# Altium PCB BaseBoard.PcbDoc (part 2 of 3)
Units mm, origin at the board's own origin, x right, y up, seen from the top; angles counter-clockwise.
Board outline 100 x 99.95 mm, 2 copper layers (Top Layer, Bottom Layer), stack 1.57 mm thick; 129 components, 191 nets, 936 pads, 326 vias.
Unrouted connection lines stored in the file: 13.
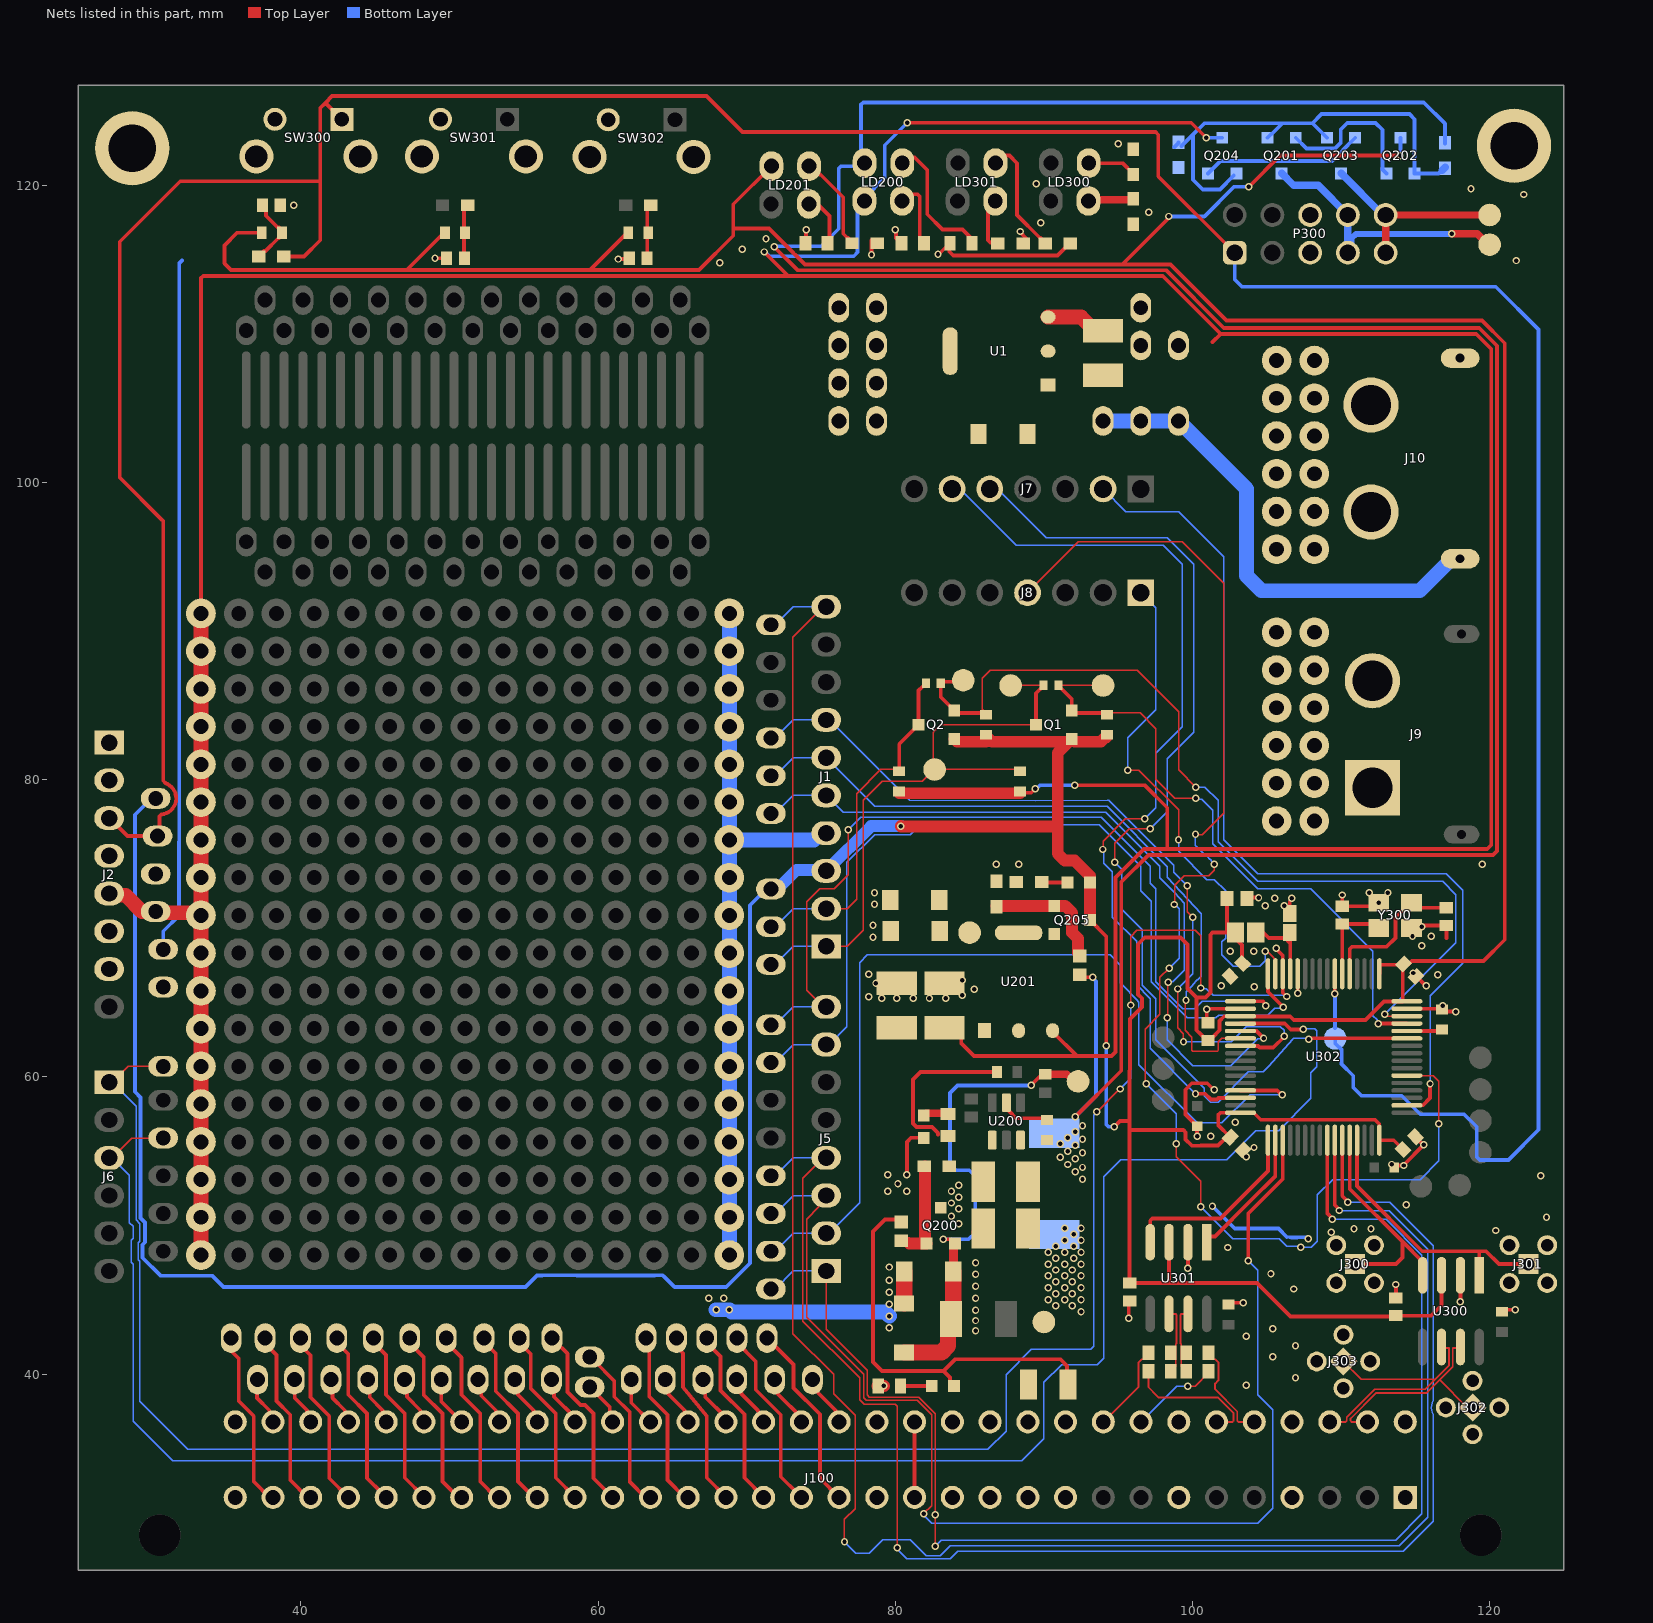
[diagram p2: the nets of this part, all layers, seen from the top]

## Via types
v1: diameter 0.5, hole 0.3, Top Layer to Bottom Layer, tented both sides, 326 vias

## Nets (pads, with @x,y where several pads share a name; then routed paths per layer and width w, separated by ;. In a path a pad name is that pad's centre, name@x,y a point inside that pad or via, vN(x,y) a via of type N, cw(c..) or ccw(c..) an arc to the next point about the centre after c; other vN are vias at no path point)
3,3V: C300.2 C301.1 C302.1 C303.1 C304.1 C305.1 C307.1 C308.1 D202.2 J1.3 J2.2 J2.4 L300.1 LD201.1 pad.608 pad.619 pad.621 Q1.1 Q2.1 Q202.3 Q205.3 R3.2 R4.2 R302.2 R303.2 R304.2 U300.3 U301.3 U302.1 U302.19 U302.32 U302.48 U302.64 | length 455.7
  Top Layer w0.254: R302.2@37.247,116.805 35.705,116.805 34.855,115.955 34.855,114.745 35.3,114.3 47.12,114.3 ; R303.2@49.575,116.805 49.575,116.755 47.12,114.3 ; R304.2@61.905,116.805 61.905,116.755 59.45,114.3 ; LD201.1@71.664,121.286 69.1,118.722 69.1,117.1 ; Q205.3@93.1,70.55 94.2,69.45 94.2,62.106 v1(94.194,62.1) ; v1(94.742,56.642) 95.123,57.023 95.758,57.023 ; v1(98.4,117.9) 98.4,117.8 95.269,114.669 ; U301.3@98.425,48.87 98.425,46.126 ; 99.768,46.126 98.425,46.126 ; 99.793,46.126 104.343,46.126 106.604,43.866 C307.1@113.69,43.866 ; C300.2@102.331,72.029 102.331,69.784 L300.1@102.406,69.709 ; U302.19@103.227,64.084 103.219,64.076 102.144,64.076 101.818,63.75 101.818,63.132 101.377,62.691 101.289,62.691 C304.1@101.041,62.443 100.966,62.443 100.468,62.941 100.456,62.941 100.264,63.132 100.264,64.236 100.264,65.346 ; C302.1@103.379,67.618 103.326,67.671 103.326,68.863 102.481,69.709 L300.1@102.406,69.709 ; v1(103.8,119.9) 105.9,122 v1(114,122) ; U302.19@104.14,64.084 104.163,64.061 105.855,64.061 105.861,64.056 106.582,64.056 106.819,63.819 107.703,63.819 111.647,63.819 112.89,65.061 114.145,65.061 114.145,65.063 U302.64@114.166,65.084 ; U302.1@112.577,66.934 112.577,67.519 112.599,67.541 114.154,67.541 C303.1@114.207,67.594 ; C307.1@113.69,43.926 116.062,43.926 116.76,44.624 U300.3@116.76,46.644 ; C305.1@114.163,55.12 113.548,55.734 U302.48@112.577,55.734 112.569,55.743 112.569,56.818 112.275,57.111 104.6,57.111 104.127,57.584 101.876,57.584 101.727,57.436 101.727,56.754 C301.1@102.546,55.935 102.29,55.935 101.727,55.372 100.577,55.372 100.574,55.368 99.953,55.368 99.535,55.786 99.535,56.265 99.387,56.414 95.758,56.414 ; U302.64@114.427,65.084 U302.64@114.166,65.084 ; 47.12,114.3 59.45,114.3 ; 59.45,114.3 66.8,114.3 69.1,116.6 69.1,117.1 ; 69.1,117.1 71.5,117.1 73.123,115.477 73.123,115.465 73.315,115.273 73.327,115.273 73.931,114.669 95.269,114.669 ; 95.269,114.669 98.527,114.669 102.288,110.908 119.476,110.908 121.02,109.364 121.02,69.22 119.593,67.793 114.756,67.793 114.557,67.594 C303.1@114.207,67.594 ; 95.758,56.414 95.758,46.126 98.425,46.126 ; 95.758,56.414 95.758,57.023 ; 95.758,57.023 95.797,63.9 96.598,64.701 96.598,65.284 96.337,65.546 96.337,68.926 96.783,69.372 99.19,69.372 99.658,68.904 99.658,65.953 100.264,65.346 ; 100.264,65.346 100.875,65.346 101.205,65.676 101.205,69.56 101.354,69.709 L300.1@102.406,69.709 ; U302.64@114.166,65.084 114.145,65.106 114.145,67.181 114.207,67.243 C303.1@114.207,67.594
  Top Layer w0.8: J2.4@27.092,74.873 J2.4@27.245,74.72 ; J2.2@27.092,79.953 J2.2@27.245,79.8 ; v1(80.373,76.877) 80.396,76.854 90.932,76.854 ; Q2.1@83.969,82.743 84.162,82.55 86.106,82.55 ; R4.2@86.106,82.893 86.156,82.893 86.499,82.55 Q1.1@91.685,82.55 ; Q1.1@91.878,82.743 90.932,81.797 90.932,76.854 ; Q1.1@92.071,82.55 93.841,82.55 94.134,82.843 94.184,82.843 R3.2@94.234,82.893 ; D202.2@93.098,73.077 93.098,73.526 92.075,74.549 91.401,74.549 90.932,75.018 90.932,76.854 ; Q205.3@93.1,70.55 D202.2@93.1,73.05
  Bottom Layer w0.254: pad.621@29.926,73.706 29.926,73.66 pad.621@30.226,73.66 ; pad.619@30.226,78.74 29.926,78.74 28.829,77.643 28.829,74.803 28.829,58.992 29.21,58.611 29.21,50.495 29.515,50.19 29.515,48.87 29.343,48.698 29.343,47.822 30.545,46.62 34.025,46.62 34.798,45.847 55.118,45.847 55.827,46.556 55.896,46.625 56.134,46.625 ccw(c56.134,48.006) 56.348,46.642 58.46,46.642 ccw(c58.674,48.006) 58.674,46.625 63.754,46.625 ccw(c63.754,48.006) 63.818,46.626 64.146,46.642 64.356,46.642 64.431,46.567 65.151,45.847 68.628,45.847 70.231,47.45 70.231,71.547 71.328,72.644 pad.608@71.628,72.644 ; v1(94.194,62.1) 94.2,61.552 94.2,56.791 94.349,56.642 v1(94.742,56.642) ; v1(98.4,117.9) 100.8,117.9 102.8,119.9 v1(103.8,119.9) ; v1(114,122) Q202.3@114,123.2
  Bottom Layer w0.8: pad.608@71.628,72.644 72.075,72.644 73.345,73.914 75.295,73.914 J1.3@75.352,73.857 78.371,76.877 v1(80.373,76.877)
3,3V_STLINK: P300.7 P300.8 Q201.3 TP303.1 | length 19
  Top Layer w0.5: v1(117.437,116.733) 117.444,116.727 119.153,116.727 119.88,116 TP303.1@120,116
  Bottom Layer w0.4: 110.67,116.393 111.011,116.734 v1(117.437,116.733)
  Bottom Layer w0.5: Q201.3@106,120.8 106.8,120 108.46,120 P300.8@110.46,118 P300.7@110.46,115.46 110.67,115.67 110.67,116.393
3,3VDDA: C306.2 L300.2 U302.13 | length 4.2
  Top Layer w0.254: L300.2@104.756,69.709 105.129,69.336 106.24,69.336 106.503,69.072 106.578,69.072 ; U302.13@106.577,66.934 106.577,69.071
5v: C1.2 C205.2 C206.2 D201.2 J2.5 LD200.3 pad.200 pad.215 pad.230 pad.245 pad.260 pad.276 pad.291 pad.306 pad.321 pad.336 pad.351 pad.366 pad.381 pad.396 pad.411 pad.426 pad.441 pad.456 pad.622 pad.631 pad.632 pad.633 Q200.3 Q204.3 R1.2 R2.2 U1.3@90.283,111.129 U201.3 | length 318.6
  Top Layer w0.254: pad.456@33.274,91.186 33.274,113.751 33.423,113.9 72.793,113.9 ; v1(71.182,115.511) 72.793,113.9 ; v1(80.781,53.41) 80.781,55.61 81.066,55.896 D201.2@81.915,55.896 ; v1(80.808,124.208) 99.916,124.208 v1(100.924,123.2) ; Q200.3@82.785,51.464 Q200.3@83.058,51.191 ; C205.2@83.759,63.3 84.432,62.627 84.432,62.268 85.3,61.4 92.229,61.4 ; R2.2@88.392,79.083 88.43,79.121 89.146,79.121 89.4,79.375 v1(89.408,79.375) ; U201.3@90.59,63.105 90.59,63.039 92.229,61.4 ; v1(92.075,79.629) 96.774,79.629 98.298,78.105 98.298,75.352 ; 96.709,75.309 94.815,73.415 94.815,63.469 94.825,63.459 94.825,61.674 94.551,61.4 92.229,61.4 ; 96.727,75.327 119.84,75.327 120.1,75.587 120.1,109 119.1,110 101.9,110 ; 101.346,109.446 101.9,110 ; 72.793,113.9 98,113.9 101.9,110
  Top Layer w0.8: R1.2@80.264,79.083 R2.2@88.392,79.083
  Top Layer w1: J2.5@27.092,72.333 27.207,72.218 28.211,72.218 29.31,71.12 pad.622@30.226,71.12 29.795,71.043 33.097,71.043 pad.336@33.274,70.866 ; pad.200@33.274,48.006 pad.215@33.274,50.546 pad.230@33.274,53.086 pad.245@33.274,55.626 pad.260@33.274,58.166 pad.276@33.274,60.706 pad.291@33.274,63.246 pad.306@33.274,65.786 pad.321@33.274,68.326 pad.336@33.274,70.866 ; pad.456@33.274,91.186 pad.441@33.274,88.646 pad.426@33.274,86.106 pad.411@33.274,83.566 pad.396@33.274,81.026 pad.381@33.274,78.486 pad.366@33.274,75.946 pad.351@33.274,73.406 pad.336@33.274,70.866 ; U1.3@90.283,111.129 92.513,111.129 93.43,110.212 C1.2@93.98,110.212
  Bottom Layer w0.254: v1(71.182,115.511) 71.249,115.511 71.537,115.223 77.2,115.223 77.464,115.487 LD200.3@77.464,118.746 ; LD200.3@77.92,118.949 77.92,119.149 79.291,120.52 79.291,122.691 v1(80.808,124.208) ; v1(89.408,79.375) 89.455,79.422 89.555,79.422 89.762,79.629 v1(92.075,79.629) ; v1(100.924,123.2) Q204.3@102,123.2
  other v1: 84.281,50.11 83.781,50.61 84.281,51.11 83.781,51.51 84.281,51.91 79.481,52.31 80.781,52.31 83.781,52.31 84.281,52.71 80.181,52.81 79.481,53.41
5v_FILT: C203.1 C204.1 L200.2 Q200.2 R201.2 TP201.1 | length 32.4
  Top Layer w0.254: v1(83.227,49.064) 83.735,49.064 83.908,48.891 Q200.2@83.908,48.691 ; v1(89.149,59.426) 89.149,59.446 R201.2@89.914,60.21
  Top Layer w0.5: R201.2@90.064,60.198 R201.2@90.095,60.166 91.556,60.166 92.023,59.7 TP201.1@92.3,59.7
  Top Layer w0.6: C204.1@83.908,46.9 Q200.2@83.908,48.691
  Top Layer w1.1: C203.1@80.6,41.45 83.106,41.45 83.55,41.894 83.55,43.5 L200.2@83.75,43.7 ; L200.2@83.908,44.458 C204.1@83.908,46.9
  Bottom Layer w0.254: v1(83.227,49.064) 84.935,49.064 85.381,49.51 85.381,53.31 84.981,53.71 84.081,53.71 83.681,54.11 83.681,58.91 84.181,59.41 89.133,59.41 v1(89.149,59.426)
5V_STLINK: P300.9 P300.10 Q203.3 TP304.1 | length 13.7
  Top Layer w0.5: P300.9@113,115.46 P300.10@113,118 TP304.1@120,118
  Bottom Layer w0.5: Q203.3@110,120.8 112.8,118 P300.10@113,118 P300.10@112.988,118.012
5v_VIN: C201.2 C202.2 D203.1 TP200.1 U200.3
  other v1: 92.5,44.2 90.8,44.6 91.9,44.6 90.3,45 91.4,45 92.5,45 90.8,45.4 91.9,45.4 90.3,45.8 91.4,45.8 92.5,45.8 90.8,46.2 91.9,46.2 90.3,46.6 91.4,46.6 92.5,46.6 90.8,47 91.9,47 90.3,47.4 91.4,47.4 92.5,47.4 90.8,47.8 92,47.8 90.3,48.2 91.4,48.2 92.5,48.2 90.8,48.6 92,48.6 91.4,49 92.5,49 92,49.4 91.4,49.8 92.5,49.8
12V_FUSED: D200.2 D203.2 F200.2 LD200.1 R200.2 R203.2 R204.1 R216.2 | length 222.8
  Top Layer w0.254: v1(71.854,115.854) 73.42,114.288 98.212,114.288 102.1,110.4 119.3,110.4 120.5,109.2 120.5,75.2 120.23,74.93 100.99,74.93 100.983,74.937 100.46,74.937 100.454,74.93 97.03,74.93 95.206,73.106 95.206,60.406 v1(92.1,57.3) ; R203.2@80.4,50.4 79.3,50.4 78.5,49.6 78.5,40.8 79.1,40.2 83.251,40.2 ; D200.2@83.95,39.2 83.685,39.465 83.685,39.766 83.251,40.2 ; F200.2@91.633,39.3 91.552,39.382 91.552,40.548 91.1,41 84.051,41 83.251,40.2 ; R216.2@92.4,66.7 v1(93.3,66.7)
  Bottom Layer w0.254: v1(71.854,115.854) 71.901,115.901 75.025,115.901 76.2,117.076 76.2,121.137 76.349,121.286 77.481,121.286 77.7,121.505 77.7,125.429 77.849,125.578 115.57,125.578 117,124.148 R204.1@117,122.8 ; v1(92.1,57.3) 93.5,58.7 93.5,66.433 93.3,66.633 v1(93.3,66.7)
  other v1: 92.6,53.1 92.1,53.6 92.6,53.9 91.6,54.1 92.1,54.5 91.1,54.6 92.6,54.9 91.6,55 92.1,55.4 91.1,55.5 92.6,55.8 91.6,55.9 92.1,56.3 92.6,56.7
12V_UNPROTECTED: F200.1 J100.A11 J100.A12 J100.C11 J100.C12
24V_UNPROTECTED: J100.A14 J100.C14 | length 5.1
  Top Layer w0.254: J100.A14@81.3,31.7 J100.C14@81.3,36.78
AREF: J2.1
CAN1_N: J100.C3 J303.1 U300.6 | length 18.1
  Top Layer w0.123: J100.C3@109.24,36.78 110.313,36.78 110.385,36.852 110.385,37.102 112.258,38.976 115.653,38.976 116.327,39.65 ; J303.1@110.16,40.843 111.353,39.65 116.327,39.65 ; U300.6@116.76,41.817 116.832,41.744 117.27,41.744 117.27,40.593 116.327,39.65
CAN1_P: J100.C2 J302.1 U300.7 | length 14.4
  Top Layer w0.123: J100.C2@111.78,36.78 110.707,36.78 110.635,36.852 110.635,36.998 112.362,38.725 115.756,38.725 116.638,39.607 ; U300.7@118.03,41.817 117.958,41.744 117.52,41.744 117.52,40.489 116.638,39.607 ; J302.1@118.847,37.744 118.501,37.744 116.638,39.607
CAN1_RX: J300.1 U300.4 U302.44 | length 15.6
  Top Layer w0.254: U302.44@110.577,55.734 110.577,52.465 114.135,48.908 ; J300.1@110.947,47.396 113.69,47.396 114.135,47.841 114.135,48.908 ; U300.4@115.49,46.644 115.49,47.552 114.135,48.908
CAN1_TX: J301.1 U300.1 U302.45 | length 18
  Top Layer w0.254: U302.45@111.077,55.734 111.077,52.651 115.468,48.26 119.3,48.26 ; U300.1@119.3,46.644 119.3,48.26 ; J301.1@122.199,47.396 120.625,47.396 119.761,48.26 119.3,48.26
CAN2_N: J100.C6 R101.1 | length 9.2
  Top Layer w0.123: R101.1@97.04,40.183 97.04,39.104 97.57,38.574 97.732,38.412 98.624,38.412 101.726,38.412 102.765,37.374 102.765,36.852 102.693,36.78 J100.C6@101.62,36.78
CAN2_P: J100.C5 R100.1 | length 6.8
  Top Layer w0.123: R100.1@101.08,41.427 101.08,41.327 101.418,40.989 101.544,40.989 101.742,40.791 101.742,39.574 101.519,39.352 101.519,38.974 103.015,37.478 103.015,36.852 103.087,36.78 J100.C5@104.16,36.78
CAN2_RX: U301.4 U302.33 | length 12.8
  Top Layer w0.254: U301.4@97.155,48.87 97.155,50.321 97.304,50.47 101.879,50.47 105.077,53.668 U302.33@105.077,55.734
CAN2_TX: U301.1 U302.34 | length 9
  Top Layer w0.254: U301.1@100.965,48.87 100.965,49.076 101.149,49.26 101.508,49.26 103.912,51.664 105.577,53.33 U302.34@105.577,55.734
CAN3_N: J100.C9 R103.1 | length 6
  Top Layer w0.123: J100.C9@94,36.78 94.028,36.78 96.378,39.131 96.378,40.791 96.576,40.989 96.702,40.989 97.04,41.327 R103.1@97.04,41.427
CAN3_P: J100.C8 R102.1 | length 6
  Top Layer w0.123: v1(99.695,39.179) 100.176,39.179 101.08,40.083 R102.1@101.08,40.183
  Bottom Layer w0.123: J100.C8@96.54,36.78 98.939,39.179 v1(99.695,39.179)
CAN_2_N: R101.2 R103.2 U301.6 | length 4.5
  Top Layer w0.123: U301.6@98.425,44.043 98.863,44.043 98.935,43.971 98.935,42.052 98.878,41.996 98.878,40.521 R101.2@98.54,40.183
CAN_2_P: R100.2 R102.2 U301.7 | length 4.5
  Top Layer w0.123: R102.2@99.58,40.183 99.242,40.521 99.242,41.996 99.185,42.052 99.185,43.971 99.257,44.043 U301.7@99.695,44.043
EN_5V: R200.1 U200.5 | length 3.2
  Top Layer w0.254: U200.5@87.645,58.088 87.645,57.699 88.127,57.217 R200.1@90.221,57.217
EXT_OUT+: J10.1 pad.528 pad.529 pad.530 pad.531 pad.532 pad.533
EXT_OUT-: J10.2 pad.522 pad.523 pad.524 pad.525 pad.526 pad.527
EXT_PWR+: J9.1 pad.540 pad.541 pad.542 pad.543 pad.544 pad.545
EXT_PWR-: J9.2 pad.534 pad.535 pad.536 pad.537 pad.538 pad.539
GND: C1.1 C3.2 C201.1 C202.1 C203.2 C204.2 C205.1 C206.1 C207.2 C208.2 C300.1 C301.2 C302.2 C303.2 C304.2 C305.2 C306.1 C307.2 C308.2 C309.2 C310.2 C311.2 C312.2 C313.2 C314.2 C315.2 J1.4 J2.6 J2.7 J10.S1 J10.S2 J100.A1 J100.A4 J100.A7 J100.A10 J100.A13 J100.A15 J100.A32 J100.C1 J100.C4 J100.C7 J100.C10 J100.C13 J100.C15 J100.C32 J300.2 J300.3 J300.4 J300.5 J301.2 J301.3 J301.4 J301.5 J302.2 J302.3 J302.4 J302.5 J303.2 J303.3 J303.4 J303.5 P300.5 P300.6 pad.7 pad.214 pad.229 pad.244 pad.259 pad.275 pad.290 pad.305 pad.320 pad.335 pad.350 pad.365 pad.380 pad.395 pad.410 pad.425 pad.440 pad.455 pad.470 pad.623 pad.624 pad.636 pad.637 pad.640 R202.1 R205.1 R206.1 R207.1 R208.1 R209.1 R210.1 R211.1 R212.1 R217.2 R218.2 R300.1 R301.1 R308.1 R309.2 R310.2 R311.2 R312.2 SW300.2 SW300.3 SW300.4 SW301.2 SW301.3 SW301.4 SW302.2 SW302.3 SW302.4 U1.1@90.283,106.549 U200.1 U201.1 U300.2 U301.2 U302.12 U302.18 U302.63 Y300.2 Y300.4 | length 216
  Top Layer w0.254: v1(49.022,115.087) 49.787,115.087 C310.2@49.8,115.1 ; v1(61.366,115.037) 62.037,115.037 C311.2@62.1,115.1 ; R212.1@73.9,116.1 74,116.2 v1(74,117) ; v1(78.4,115.312) R211.1@78.4,116.3 ; v1(80,117) 80,116.933 80.057,116.876 80.057,116.443 R210.1@80.4,116.1 ; v1(82.873,115.36) 82.93,115.36 R209.1@83.63,116.06 ; 82.881,56.11 82.881,56.21 82.468,56.623 81.425,56.623 81.188,56.86 81.188,59.817 81.699,60.329 R202.1@86.83,60.329 ; R209.1@83.63,116.13 83.63,115.547 83.904,115.273 90.914,115.273 91.694,116.053 R311.2@91.694,116.103 ; v1(88.416,116.889) 88.416,116.823 88.8,116.438 R312.2@88.8,116.1 ; C1.1@93.317,106.549 C1.1@93.98,107.212 C1.1@93.705,106.937 ; v1(95.707,43.739) 95.707,44.841 C308.2@95.783,44.917 ; v1(99.695,47.117) U301.2@99.695,48.87 ; v1(100.312,55.999) 100.312,56.76 100.237,56.76 99.739,57.258 99.727,57.258 99.521,57.463 99.521,59.135 99.949,59.563 100.999,59.563 101.427,59.135 v1(101.464,59.135) ; C304.2@101.041,63.643 100.962,63.722 v1(100.962,64.541) 100.997,64.576 103.219,64.576 U302.18@103.227,64.584 ; R301.1@102.413,44.793 v1(103.416,44.793) ; C301.2@103.395,55.086 103.395,54.847 v1(103.632,54.61) ; C300.1@103.531,72.029 103.562,72.06 v1(104.445,72.06) ; v1(106.68,72.009) 106.68,71.942 106.553,71.815 106.553,70.864 C306.1@106.807,70.61 ; v1(107.077,65.613) U302.12@107.077,66.934 ; C312.2@110.083,71.477 112.289,71.477 v1(112.531,71.719) ; v1(110.084,72.238) 110.084,71.498 C312.2@110.094,71.488 ; C314.2@113.538,53.975 113.595,54.032 v1(114.216,54.032) ; C307.2@113.69,45.126 v1(113.69,46.025) ; v1@114.144,54.105 114.247,54.105 115.557,55.415 v1(115.557,55.423) C305.2@115.012,55.968 ; U302.63@114.427,64.584 116.735,64.584 116.806,64.656 117.073,64.389 v1(117.729,64.389) ; Y300.2@114.731,70.019 114.889,70.178 C313.2@117.079,70.178 117.094,70.162 117.094,69.342 ; C303.2@114.964,66.715 115.093,66.745 v1(115.722,66.116) ; U300.2@118.03,46.644 118.032,46.642 118.032,44.858 v1(118.034,44.856) ; R300.1@120.817,44.31 120.829,44.323 v1(121.717,44.323)
  Top Layer w0.8: R206.1@78.8,39.2 78.802,39.202 v1(79.232,39.202) ; C3.2@88.899,103.251 C3.2@88.899,103.376 ; C1.1@93.43,107.212 C1.1@93.98,107.212
  Top Layer w1: J2.7@27.092,67.253 J2.7@27.207,67.138 ; J2.6@27.092,69.793 J2.6@27.207,69.678
  Top Layer w1.1: C203.2@80.6,44.75 80.6,46.767 80.608,46.775 C204.2@80.608,46.9 ; C202.1@85.681,49.542 C202.1@85.927,49.788
  Bottom Layer w0.254: pad.623@30.734,68.58 30.734,69.799 31.802,70.868 31.802,75.821 31.806,75.824 31.806,114.737 32.004,114.935 ; v1(101.346,51.289) 102.851,49.784 105.791,49.784 106.346,49.229 106.651,49.182 106.776,49.182 107.041,49.191 107.707,49.196 107.793,49.11 v1(107.793,49.099) ; v1(103.416,44.793) v1@103.429,44.78
  Bottom Layer w1: v1(67.945,44.323) v1(68.834,44.323) 68.985,44.172 79.328,44.172 v1(79.6,43.9) ; pad.214@68.834,48.006 pad.229@68.834,50.546 pad.244@68.834,53.086 pad.259@68.834,55.626 pad.275@68.834,58.166 pad.290@68.834,60.706 pad.305@68.834,63.246 pad.320@68.834,65.786 pad.335@68.834,68.326 pad.350@68.834,70.866 pad.365@68.834,73.406 pad.380@68.834,75.946 ; pad.470@68.834,91.186 pad.455@68.834,88.646 pad.440@68.834,86.106 pad.425@68.834,83.566 pad.410@68.834,81.026 pad.395@68.834,78.486 pad.380@68.834,75.946 ; J1.4@75.352,76.397 74.989,76.397 74.538,75.946 pad.380@68.834,75.946 ; pad.637@93.98,104.14 pad.636@96.18,104.14 ; pad.636@96.52,104.14 pad.640@99.06,104.14 99.06,103.948 99.245,103.763 99.437,103.763 103.632,99.568 103.632,93.726 104.648,92.71 115.29,92.71 117.445,94.865 J10.S1@118.014,94.865
  other v1: 103.632,39.243 106.934,39.751 105.41,41.148 106.934,41.91 103.632,42.545 85.4,42.9 105.41,43.053 79.6,43.1 85.4,43.6 85.4,44.3 79.6,44.7 67.437,45.085 68.453,45.085 85.4,45.1 79.6,45.5 106.807,45.72 85.4,45.9 79.6,46.3 85.4,46.7 105.283,46.736 79.6,47.2 85.4,47.5 102.362,48.514 109.347,49.53 120.396,49.657 110.871,49.784 112.014,49.784 123.825,50.546 114.376,51.405 123.444,53.34 113.411,54.102 104.14,55.245 101.219,56.007 102.889,56.93 116.84,64.77 79.1,65.3 80.1,65.3 81.2,65.3 82.3,65.3 83.4,65.3 78.2,65.4 84.5,65.5 85.3,65.9 104.154,66.057 101.93,66.116 78.7,66.3 84.5,66.5 116.499,66.866 78.2,66.9 114.843,66.987 102.535,68.453 104.138,68.442 115.443,68.834 78.5,69.4 114.808,69.469 116.078,69.469 115.443,70.104 78.5,70.2 104.902,71.501 106.172,71.501 78.6,71.6 105.537,72.009 78.6,72.4 111.887,72.39 113.157,72.39 86.8,74.3 88.3,74.3 119.507,74.295 68.2,114.8 121.793,114.935 69.7,115.7 71.3,116.4 89.789,117.475 97.053,118.186 39.522,118.643 122.301,119.38 118.745,119.761 89.5,120.1 95,122.8
GPIO_L_0: J100.A16 pad.549@71.374,42.418 | length 12.8
  Top Layer w0.254: pad.549@71.374,42.418 73.152,40.64 73.152,39.065 74.93,37.287 74.93,32.99 J100.A16@76.22,31.7 J100.A16@76.162,31.7
GPIO_L_1: J100.A17 pad.549@69.342,42.418 | length 12.8
  Top Layer w0.254: pad.549@69.342,42.418 69.342,42.118 70.612,40.848 70.612,38.943 72.296,37.259 72.296,33.084 73.396,31.984 73.68,31.984 J100.A17@73.68,31.7 J100.A17@73.68,31.631
GPIO_L_2: J100.A18 pad.547 | length 12.4
  Top Layer w0.254: pad.547@67.31,42.418 67.31,42.118 68.244,41.184 68.244,38.894 69.85,37.287 69.85,33.02 71.14,31.73 J100.A18@71.14,31.7 J100.A18@71.14,31.631
GPIO_L_3: J100.A19 pad.518 | length 12.1
  Top Layer w0.254: pad.518@65.278,42.418 65.278,41.823 65.705,41.396 65.705,39.115 67.31,37.182 67.31,37.09 67.31,33.02 68.6,31.73 J100.A19@68.6,31.7 J100.A19@68.6,31.637
GPIO_L_4: J100.A20 pad.516 | length 12.1
  Top Layer w0.254: pad.516@63.229,42.435 63.435,42.229 63.435,38.5 64.676,37.259 64.676,32.86 65.836,31.7 J100.A20@66.06,31.7 J100.A20@66.06,31.637
GPIO_L_5: J100.A21 pad.514 | length 11.4
  Top Layer w0.254: pad.514@59.436,41.148 59.736,40.894 61.093,39.537 61.093,38.475 62.136,37.432 62.136,32.733 63.169,31.7 J100.A21@63.52,31.7 J100.A21@63.52,31.637
GPIO_L_6: J100.A22 pad.512 | length 12.6
  Top Layer w0.254: pad.512@56.896,42.418 57.15,42.164 57.943,41.371 57.943,38.78 58.81,37.913 59.115,37.913 59.182,37.846 59.69,37.338 59.69,32.99 60.95,31.73 60.98,31.73 J100.A22@60.98,31.7
GPIO_L_7: J100.A23 pad.510 | length 12.8
  Top Layer w0.254: pad.510@54.695,42.418 54.695,42.118 55.471,41.342 55.471,39.017 57.15,37.338 57.15,33.02 58.44,31.73 J100.A23@58.44,31.7 58.216,31.7 J100.A23@58.216,31.413
GPIO_L_8: J100.A24 pad.508 | length 12.4
  Top Layer w0.254: pad.508@52.324,42.418 52.324,42.164 53.111,41.377 53.111,38.837 54.61,37.338 54.61,32.766 55.676,31.7 J100.A24@55.9,31.7 J100.A24@55.9,31.637
GPIO_L_9: J100.A25 pad.506 | length 12.4
  Top Layer w0.254: pad.506@49.784,42.418 49.784,42.118 50.8,41.102 50.8,38.608 52.07,37.338 52.07,32.766 53.136,31.7 J100.A25@53.36,31.7 J100.A25@53.36,31.637
GPIO_L_10: J100.A26 pad.504 | length 12.4
  Top Layer w0.254: pad.504@47.329,42.418 47.329,42.079 48.26,41.148 48.26,38.608 49.53,37.338 49.53,32.766 50.596,31.7 J100.A26@50.82,31.7 J100.A26@50.82,31.637
GPIO_L_11: J100.A27 pad.502 | length 12.3
  Top Layer w0.254: pad.502@44.873,42.418 44.873,41.995 44.997,41.995 45.72,41.271 45.72,38.608 46.99,37.338 46.99,33.02 48.28,31.73 J100.A27@48.28,31.7 J100.A27@48.28,31.637
GPIO_L_12: J100.A28 pad.500 | length 12.3
  Top Layer w0.254: pad.500@42.418,42.418 42.418,42.113 43.18,41.351 43.18,38.608 44.45,37.338 44.45,32.99 45.456,31.984 45.74,31.984 J100.A28@45.74,31.7 J100.A28@45.74,31.631
GPIO_L_13: J100.A29 pad.497@39.963,42.418 | length 12.1
  Top Layer w0.254: pad.497@39.963,42.418 39.963,41.944 40.64,41.267 40.64,38.435 41.91,37.165 41.91,32.99 J100.A29@43.2,31.7 J100.A29@43.2,31.631
GPIO_L_14: J100.A30 pad.497@37.592,42.418 | length 12.2
  Top Layer w0.254: pad.497@37.592,42.418 37.507,42.118 38.354,41.271 38.354,38.181 39.276,37.259 39.276,32.86 40.436,31.7 J100.A30@40.66,31.7
GPIO_L_15: J100.A31 pad.495 | length 12.2
  Top Layer w0.254: pad.495@35.306,42.418 35.052,41.808 35.814,41.046 35.814,38.181 36.83,37.165 36.83,32.766 37.896,31.7 J100.A31@38.12,31.7
GPIO_R_0: J100.C16 pad.601 | length 3.6
  Top Layer w0.254: pad.601@74.422,39.624 74.641,39.405 74.641,38.897 75.972,37.566 75.972,37.028 J100.C16@76.22,36.78
GPIO_R_1: J100.C17 pad.550 | length 3.8
  Top Layer w0.254: pad.550@71.915,39.377 pad.550@71.882,39.624 72.101,39.405 72.101,38.643 73.68,37.064 J100.C17@73.68,36.78
GPIO_R_2: J100.C18 pad.548 | length 3.6
  Top Layer w0.254: pad.548@69.325,39.641 69.325,39.031 69.654,38.702 69.654,38.65 70.769,37.535 70.769,37.502 71.14,37.131 J100.C18@71.14,36.78
GPIO_R_3: J100.C19 pad.517 | length 3.5
  Top Layer w0.254: pad.517@67.056,39.624 67.011,39.397 67.208,39.199 67.208,38.456 68.6,37.064 J100.C19@68.6,36.78
GPIO_R_4: J100.C20 pad.515 | length 3.5
  Top Layer w0.254: pad.515@64.516,39.624 64.516,39.405 64.735,39.185 64.735,38.643 65.812,37.566 65.812,37.028 J100.C20@66.06,36.78
GPIO_R_5: J100.C21 pad.513 | length 3.6
  Top Layer w0.254: pad.513@62.23,39.624 62.23,38.07 J100.C21@63.52,36.78 J100.C21@63.52,37.026
GPIO_R_6: J100.C22 pad.511 | length 3
  Top Layer w0.254: pad.511@59.436,39.116 60.78,37.772 60.78,36.98 J100.C22@60.98,36.78
GPIO_R_7: J100.C23 pad.509 | length 3.5
  Top Layer w0.254: pad.509@56.862,39.624 57.031,39.455 57.031,38.473 58.44,37.064 J100.C23@58.44,36.78
GPIO_R_8: J100.C24 pad.507 | length 3.5
  Top Layer w0.254: pad.507@54.39,39.624 54.609,39.405 54.609,38.609 55.652,37.566 55.652,37.028 J100.C24@55.9,36.78
GPIO_R_9: J100.C25 pad.505 | length 3.4
  Top Layer w0.254: pad.505@51.918,39.624 52.137,39.405 52.137,38.541 53.112,37.566 53.112,37.028 J100.C25@53.36,36.78
GPIO_R_10: J100.C26 pad.503 | length 3.6
  Top Layer w0.254: pad.503@49.445,39.624 49.445,38.155 J100.C26@50.82,36.78 J100.C26@50.643,36.78
GPIO_R_11: J100.C27 pad.501 | length 3.4
  Top Layer w0.254: pad.501@46.973,39.624 47.134,39.463 47.134,38.464 48.032,37.566 48.032,37.028 J100.C27@48.28,36.78
GPIO_R_12: J100.C28 pad.499 | length 3.4
  Top Layer w0.254: pad.499@44.501,39.624 44.628,39.497 44.628,38.43 45.492,37.566 45.492,37.028 J100.C28@45.74,36.78
GPIO_R_13: J100.C29 pad.496 | length 3.3
  Top Layer w0.254: pad.496@42.029,39.624 42.122,39.531 42.122,38.396 42.952,37.566 42.952,37.028 J100.C29@43.2,36.78
GPIO_R_14: J100.C30 pad.494 | length 3.3
  Top Layer w0.254: pad.494@39.556,39.624 39.586,39.594 39.586,38.392 40.412,37.566 40.412,37.028 J100.C30@40.66,36.78
GPIO_R_15: J100.C31 pad.493 | length 3.3
  Top Layer w0.254: pad.493@37.084,39.624 37.046,39.586 37.046,38.392 37.872,37.566 37.872,37.028 J100.C31@38.12,36.78
I2C1_SCL: J1.1 J3.1 pad.610 Q1.3 R2.1 TP2.1 TP3.1 | length 41.4
  Top Layer w0.1: J1.1@75.352,68.777 76.778,68.777 77.851,69.85 77.851,78.613 79.121,79.883 81.827,79.883 82.519,80.575 82.629,80.685 TP2.1@82.645,80.685 ; TP2.1@82.55,80.544 82.55,83.185 83.058,83.693 Q1.3@89.478,83.693 ; TP2.1@82.647,80.683 R2.1@88.392,80.683 ; TP3.1@88.475,86.336 89.948,86.336 J3.1@89.974,86.31
  Top Layer w0.254: Q1.3@89.478,83.693 89.478,85.814 J3.1@89.974,86.31
  Bottom Layer w0.1: pad.610@71.628,67.564 71.928,67.564 73.141,68.777 J1.1@75.352,68.777
I2C1_SDA: J1.2 J4.1 pad.609 Q2.3 R1.1 | length 23.8
  Top Layer w0.1: J1.2@75.352,71.317 76.778,71.317 77.4,71.939 77.4,79.051 79.032,80.683 R1.1@80.264,80.683
  Top Layer w0.254: R1.1@80.264,80.683 80.264,82.388 Q2.3@81.569,83.693 81.569,85.998 81.86,86.289 81.91,86.289 82.058,86.437 J4.1@82.058,86.487
  Bottom Layer w0.1: pad.609@71.628,70.104 71.928,70.104 73.141,71.317 J1.2@75.352,71.317
LDO_OUT: C3.1 pad.641 pad.642 pad.643 pad.644 pad.645 pad.646 pad.648 pad.649 U1.2@90.283,108.839 U1.4@83.693,108.839
LV_CL: J3.2 Q1.2 R3.1 TP1.1 U302.61 | length 43
  Top Layer w0.1: J3.2@90.974,86.31 91.026,86.362 94.589,86.362 TP1.1@94.615,86.336 ; R3.1@94.234,84.493 96.482,84.493 97.536,83.439 97.536,80.01 98.806,78.74 v1(100.222,78.74)
  Top Layer w0.254: J3.2@90.974,86.31 91.122,86.162 91.14,86.162 91.878,85.424 Q1.2@91.878,84.643 92.028,84.493 R3.1@94.234,84.493 ; v1(112.498,63.584) U302.61@114.427,63.584
  Bottom Layer w0.1: v1(100.222,78.74) 100.279,78.683 100.622,78.683 101.351,77.954 101.351,75.687 104.394,72.644 107.95,72.644 112.141,68.453 112.141,64.118 112.421,63.838 112.421,63.661 v1(112.498,63.584)
LV_DA: J4.2 Q2.2 R4.1 TP4.1 U302.62 | length 62.8
  Top Layer w0.1: TP4.1@84.301,86.96 TP4.1@84.574,86.688 ; R4.1@86.106,84.493 85.852,84.747 85.852,86.818 86.382,87.348 96.294,87.348 99.06,84.582 99.06,80.664 v1(100.222,79.502) ; v1@112.856,64.215 v1(112.936,64.215) 112.936,64.143 112.995,64.084 U302.62@114.427,64.084
  Top Layer w0.254: TP4.1@84.574,86.688 84.473,86.587 83.158,86.587 J4.2@83.058,86.487 83.058,85.554 Q2.2@83.969,84.643 84.119,84.493 R4.1@86.106,84.493
  Bottom Layer w0.1: v1(100.222,79.502) 100.838,79.502 101.727,78.613 101.727,75.819 104.394,73.152 116.84,73.152 117.73,72.262 117.73,69.01 v1(112.936,64.215)
NetC207_1: C207.1 C208.1 Q205.2 TP202.1 U201.2 U201.4
NetC309_1: C309.1 R302.1 R305.2 | length 4.9
  Top Layer w0.254: R305.2@37.2,115.2 37.2,115.25 37.523,115.573 37.616,115.573 38.474,116.432 38.524,116.432 38.847,116.755 38.847,116.855 38.524,117.178 38.424,117.178 37.658,117.945 37.658,118.411 C309.1@37.41,118.659
NetC310_1: C310.1 R303.1 R306.2 | length 3.9
  Top Layer w0.254: C310.1@50.975,114.822 50.975,116.805 50.975,118.459 R306.2@51.175,118.659
NetC311_1: C311.1 R304.1 R307.2 | length 3.9
  Top Layer w0.254: C311.1@63.305,114.822 63.305,118.459 R307.2@63.505,118.659
NetD200_1: D200.1 R206.2 | length 2
  Top Layer w0.254: R206.2@80.4,39.2 D200.1@82.45,39.2
NetD201_1: D201.1 R207.2 | length 1.7
  Top Layer w0.5: D201.1@81.915,57.396 82.065,57.546 82.542,57.546 R207.2@83.527,57.546
NetD202_1: D202.1 R208.2 | length 1.8
  Top Layer w0.254: R208.2@89.85,73.1 89.873,73.077 D202.1@91.598,73.077
NetJ8_4: J8.4 U302.54 | length 92.3
  Top Layer w0.1: J8.4@89.535,93.218 92.329,96.012 99.314,96.012 102.108,93.218 102.108,77.736 100.653,76.281 100.249,76.281 v1(100.203,76.327) ; v1(96.881,59.547) 96.817,59.612 96.817,63.214 97.807,64.204 97.807,66.692 v1(98.425,67.31) ; v1(98.774,71.599) 98.806,71.631 98.806,72.897 99.441,73.533 101.092,73.533 101.454,73.895 101.454,74.273 v1(101.476,74.295) ; v1(98.909,55.499) 98.909,54.634 100.559,52.984 v1(100.559,51.262) ; U302.54@114.427,60.084 116.216,60.084 116.586,59.715 v1(116.586,56.856)
  Bottom Layer w0.1: v1(96.881,59.547) 98.909,57.519 v1(98.909,55.499) ; v1(98.425,67.31) 99.106,67.991 99.106,71.328 99.047,71.387 v1(98.774,71.599) ; v1(100.203,76.327) 100.203,75.606 100.203,75.565 100.262,75.506 100.897,74.887 ccw(c100.967,74.958) 100.917,74.872 100.959,74.847 cw(c100.908,74.761) 100.979,74.832 101.177,74.634 cw(c101.107,74.563) 101.182,74.628 101.458,74.311 ccw(c101.534,74.376) v1(101.476,74.295) ; v1(100.559,51.262) 102.708,49.114 105.826,49.114 106.349,48.591 107.236,48.591 v1(107.286,48.542) ; v1@107.303,48.56 107.361,48.524 107.753,48.524 108.001,48.524 108.41,48.933 108.41,52.066 109.43,53.086 115.316,53.086 116.586,54.356 v1(116.586,56.856) ; v1(101.476,74.295) 101.473,74.295 v1(101.476,74.295)
NetLD200_2: LD200.2 R209.2 | length 10
  Top Layer w0.254: LD200.2@80.017,121.887 LD200.2@80.127,121.887 ; LD200.2@80.017,121.997 LD200.2@80.127,121.887 ; R209.2@84.982,116.518 85.3,116.2 85.3,116.25 84.523,117.027 83.176,117.027 82.154,118.049 82.154,121.035 81.302,121.887 LD200.2@80.127,121.887
NetLD200_4: LD200.4 R210.2 | length 5.6
  Top Layer w0.254: LD200.4@80,119.39 LD200.4@80.11,119.39 ; LD200.4@80,119.5 LD200.4@80.11,119.39 ; LD200.4@80.95,119.39 LD200.4@80.11,119.39 ; R210.2@81.646,116.346 81.646,119.241 81.497,119.39 LD200.4@80.11,119.39
NetLD201_2: LD201.2 R211.2 | length 6.6
  Top Layer w0.254: LD201.2@74.2,121.286 74.364,121.286 74.938,120.712 74.988,120.712 76.5,119.2 76.5,116.74 76.767,116.473 76.817,116.473 77.14,116.15 R211.2@77.14,116.1
NetLD201_4: LD201.4 R212.2 | length 4.1
  Top Layer w0.254: LD201.4@73.997,119.503 75.565,117.935 R212.2@75.565,116.1
NetLD300_2: LD300.2 R309.1 | length 4.8
  Top Layer w0.254: LD300.2@93.017,121.489 95.301,121.489 96.012,120.778 R309.1@96.012,120.728 ; LD300.2@93.017,121.523 LD300.2@93.655,121.523 ; LD300.2@93.017,121.997 93.181,121.997 LD300.2@93.655,121.523 ; LD300.2@93.664,121.514 LD300.2@93.655,121.523
NetLD300_4: LD300.4 R310.1 | length 3.2
  Top Layer w0.254: LD300.4@93,118.746 LD300.4@93.101,118.847
  Top Layer w0.5: LD300.4@93,118.949 93.069,119.018 95.943,119.018 R310.1@96.012,119.087
NetLD301_2: LD301.2 R311.1 | length 8.4
  Top Layer w0.254: LD301.2@86.517,121.997 LD301.2@87.098,121.997 ; LD301.2@87.401,121.997 LD301.2@87.098,121.997 ; R311.1@90.094,116.103 90.094,116.156 89.777,116.473 89.724,116.473 88.189,118.009 88.189,121.488 87.68,121.997 LD301.2@87.098,121.997
NetLD301_4: LD301.4 R312.1 | length 5.6
  Top Layer w0.254: R312.1@87.2,116.1 87.146,116.154 86.389,116.154 86.241,116.303 86.241,118.368 86.242,118.37 LD301.4@86.242,118.751 ; LD301.4@86.242,118.751 LD301.4@86.242,119.132 ; LD301.4@86.242,118.751 86.5,119.009 LD301.4@86.5,119.39 ; LD301.4@86.242,119.132 86.242,119.242 86.5,119.5 LD301.4@86.5,119.39 ; LD301.4@86.242,119.132 LD301.4@86.5,119.39
NetQ200_1: Q200.1 R203.1 R218.1 | length 6.2
  Top Layer w0.8: 80.899,48.835 80.943,48.791 Q200.1@81.889,48.791 ; R218.1@82.001,53.969 82.001,48.898 Q200.1@82.108,48.791
NetQ201_1: Q201.1 Q202.1 Q203.1 Q204.1 R204.2 R205.2 | length 32.5
  Bottom Layer w0.254: R205.2@98.787,122.574 99.06,122.847 R205.2@99.06,122.897 ; R205.2@99.263,122.644 100.041,123.421 ; Q204.1@102.781,120.65 101.85,119.72 100.697,119.72 100.041,120.375 100.041,123.421 ; Q201.1@105.05,123.2 105.323,123.473 105.353,123.473 106.059,124.179 ; Q203.1@109.05,123.2 108.071,124.179 ; R204.2@117,121.2 116.95,121.2 116.55,120.8 Q202.1@114.95,120.8 114.95,124.445 114.605,124.79 108.682,124.79 108.071,124.179 ; 100.041,123.421 100.799,124.179 106.059,124.179 ; 106.059,124.179 108.071,124.179
  Bottom Layer w0.5: R204.2@116.8,121 R204.2@117,121.2
NetQ201_2: Q201.2 Q202.2 | length 10.6
  Bottom Layer w0.254: Q201.2@106.95,123.2 107.677,122.473 109.585,122.473 109.985,122.873 109.985,123.775 110.41,124.2 112.321,124.2 112.787,123.735 112.787,121.063 Q202.2@113.05,120.8
NetQ203_2: Q203.2 Q204.2 | length 10.9
  Bottom Layer w0.254: Q204.2@101.05,120.8 101.892,121.642 109.392,121.642 109.769,122.019 109.773,122.019 110.439,122.685 110.439,122.689 Q203.2@110.95,123.2
NetQ205_1: Q205.1 R216.1 R217.1 | length 8.3
  Top Layer w0.8: R217.1@86.8,71.5 Q205.1@90.7,71.5 91.431,71.5 91.9,71.031 91.9,69.7 92.3,69.3 92.3,68.35 92.35,68.3 R216.1@92.4,68.3
NetR308_2: R308.2 U302.60 | length 2.4
  Top Layer w0.254: U302.60@114.427,63.084 116.778,63.084 R308.2@116.806,63.056
NRST: J2.3 P300.1 pad.620 R305.1 SW300.1 TP300.1 U302.7 | length 243.9
  Top Layer w0.254: J2.3@27.092,77.413 27.124,77.413 28.337,76.2 pad.620@30.353,76.2 30.48,76.454 30.48,77.527 30.554,77.601 ; 30.555,77.602 30.616,77.663 ccw(c30.526,78.74) 31.016,79.704 30.883,79.771 30.734,79.92 30.734,79.993 30.734,97.409 30.66,97.483 27.813,100.33 27.813,116.205 31.877,120.269 41.3,120.269 ; R305.1@38.8,115.2 40.2,115.2 41.3,116.3 41.3,120.269 ; SW300.1@42.75,124.442 41.646,125.546 ; P300.1@102.84,115.46 97.7,120.6 97.7,123.4 97.523,123.577 96.636,123.577 95.365,123.577 69.723,123.577 67.3,126 42.1,126 41.646,125.546 ; U302.7@109.577,66.934 109.581,66.931 109.581,65.608 v1(109.585,65.604) ; 41.3,120.269 41.3,125.2 41.646,125.546
  Bottom Layer w0.254: P300.1@102.84,115.46 102.84,113.66 103.33,113.17 120.409,113.17 123.288,110.291 123.288,56.434 121.261,54.407 119.329,54.407 119.126,54.61 119.126,56.642 118.281,57.487 115.324,57.487 114.087,58.724 111.383,58.724 110.821,59.286 110.821,60.07 110.021,60.87 110.021,61.833 109.605,62.249 TP300.1@109.605,62.593 ; TP300.1@109.585,63.263 v1(109.585,65.604)
OSC_IN: C313.1 U302.5 Y300.3 | length 10.4
  Top Layer w0.254: U302.5@110.577,66.934 110.577,68.501 ; 110.586,68.501 110.586,68.604 110.735,68.752 113.066,68.752 113.657,69.343 113.657,70.745 114.631,71.719 114.973,71.378 C313.1@117.079,71.378
OSC_OUT: C312.1 U302.6 Y300.1 | length 6
  Top Layer w0.254: U302.6@110.077,67.234 110.077,70.272 C312.1@110.083,70.277 112.273,70.277 Y300.1@112.531,70.019 Y300.1@112.225,69.714
PA0: J6.1 pad.630 U302.14 | length 144.1
  Top Layer w0.1: J6.1@27.092,59.633 27.292,59.633 28.364,60.706 pad.630@30.734,60.706 ; v1(93.569,57.658) 93.586,57.658 95.11,59.182 v1(95.127,59.182) ; v1(95.837,64.832) 95.843,64.838 95.843,69.427 96.266,69.85 100.203,69.85 100.555,69.498 100.555,65.98 v1(100.558,65.977)
  Top Layer w0.254: v1(105.625,68.666) 105.625,68.623 106.069,68.18 106.069,66.943 U302.14@106.077,66.934 106.077,65.652 106.324,65.406 v1(106.349,65.406)
  Bottom Layer w0.1: J6.1@27.092,59.633 27.292,59.633 28.906,58.019 28.906,50.369 29.156,50.119 29.156,48.941 29.039,48.824 29.039,47.696 29.156,47.579 29.156,38.154 32.385,34.925 86.233,34.925 87.459,36.151 87.459,39.961 89.154,41.656 93.151,41.656 93.372,41.877 93.372,57.399 93.569,57.596 v1(93.569,57.658) ; v1(95.127,59.182) 95.843,59.898 95.843,64.465 v1(95.837,64.832) ; v1(100.558,65.977) 100.594,65.942 100.936,65.942 101.402,65.476 106.279,65.476 v1(106.349,65.406)
PA1: J8.1 U302.15 | length 35.1
  Top Layer w0.1: v1(95.631,80.645) 96.393,80.645 99.06,77.978 v1(99.06,75.958) ; v1(104.899,68.464) 104.91,68.453 105.024,68.453 105.285,68.192 105.477,68 105.477,67.989 105.577,67.889 U302.15@105.577,66.934
  Bottom Layer w0.1: v1(95.631,80.645) 95.631,82.804 97.536,84.709 97.536,91.567 J8.1@96.52,92.583 ; v1(99.06,75.958) 99.06,75.184 100.965,73.279 101.473,73.279 102.235,72.517 102.235,69.342 101.981,69.088 101.981,68.199 102.743,67.437 104.521,67.437 104.899,67.815 v1(104.899,68.464)
PA2: J5.7 pad.612 U302.16 | length 60.1
  Top Layer w0.254: U302.16@105.077,66.934 105.086,66.926 105.086,65.723 v1(106.123,64.687)
  Bottom Layer w0.1: pad.612@71.628,60.96 71.928,60.96 73.141,62.173 J5.7@75.352,62.173 75.552,62.173 76.741,63.363 76.741,74.431 78.61,76.3 80.999,76.3 81.661,76.962 93.726,76.962 94.411,76.277 96.52,74.168 96.52,72.517 97.214,71.823 97.214,66.393 99.637,63.971 101.563,63.971 101.753,64.161 105.076,64.161 105.322,64.406 105.398,64.482 105.527,64.612 106.048,64.612 v1(106.123,64.687)
PA3: J5.8 pad.611 U302.17 | length 58.9
  Top Layer w0.1: J5.8@75.352,64.713 75.352,64.856 75.009,64.856 74.048,65.817 74.048,71.775 74.917,72.644 75.9,72.644 76.846,73.59 76.846,75.819 76.837,75.828 v1(76.837,76.62)
  Top Layer w0.254: U302.17@103.227,65.084 104.74,65.084 104.74,65.049 104.927,64.862 v1(104.927,64.795)
  Bottom Layer w0.1: pad.611@71.628,63.5 71.928,63.5 73.141,64.713 J5.8@75.352,64.713 ; v1(76.837,76.62) 77.67,77.454 93.869,77.454 97.155,74.168 97.155,73.025 97.536,72.644 97.536,66.393 99.336,64.593 100.168,64.593 100.67,65.095 104.627,65.095 v1(104.927,64.795)
PA4: J6.3 pad.626 U302.20 | length 132.7
  Top Layer w0.1: J6.3@27.092,54.553 27.292,54.553 28.618,55.88 pad.626@30.734,55.88
  Top Layer w0.254: U302.20@103.235,63.592 106.21,63.592 106.61,63.192 107.438,63.192 v1(107.442,63.188)
  Bottom Layer w0.1: J6.3@27.092,54.553 27.292,54.553 28.452,53.393 28.452,50.181 28.702,49.931 28.702,49.129 28.585,49.012 28.585,47.508 28.702,47.391 28.702,36.83 31.369,34.163 88.519,34.163 89.999,35.643 89.999,39.453 91.186,40.64 93.599,40.64 94.022,41.063 94.022,53.276 95.171,54.425 102.304,54.425 104.267,56.388 105.791,56.388 107.95,58.547 107.95,60.265 108.366,60.681 108.366,63.106 108.226,63.246 107.5,63.246 v1(107.442,63.188)
PA5: J1.5 pad.607 U302.21 | length 51.3
  Top Layer w0.1: v1(98.309,63.967) 98.328,63.986 98.328,66.309 v1(98.373,66.354)
  Top Layer w0.254: U302.21@103.227,63.084 103.236,63.076 104.311,63.076 104.781,62.605 v1(104.781,62.596)
  Bottom Layer w0.1: pad.607@71.628,77.724 71.928,77.724 73.141,78.937 J1.5@75.352,78.937 76.49,77.799 94.159,77.799 94.361,77.597 97.79,74.168 97.79,73.406 98.74,72.456 98.741,72.455 99.183,71.973 99.415,71.72 99.441,71.691 99.441,67.183 98.668,66.41 98.429,66.41 v1(98.373,66.354) ; v1(98.309,63.967) 98.298,63.956 98.298,62.484 100.027,60.755 102.576,60.755 104.328,62.507 104.331,62.507 104.381,62.557 104.743,62.557 v1(104.781,62.596)
PA6: J1.6 pad.606 U302.22 | length 48.1
  Top Layer w0.1: v1(99.565,65.147) 99.501,65.083 99.501,63.122 99.949,62.674 99.949,61.781 100.008,61.722 101.685,61.722 101.744,61.781 101.744,62.374 101.954,62.584 U302.22@103.227,62.584
  Bottom Layer w0.1: pad.606@71.628,80.264 71.928,80.264 73.141,81.477 J1.6@75.352,81.477 78.622,78.207 94.259,78.207 98.284,74.182 98.313,74.153 98.313,73.416 100.584,70.961 100.584,66.754 100.361,66.531 100.329,66.531 100.004,66.207 100.004,66.174 99.565,65.735 v1(99.565,65.147)
PA7: J1.7 pad.605 U302.23 | length 55.7
  Top Layer w0.1: v1(99.011,65.913) 99.011,63.291 99.395,62.907 v1(99.395,62.357) ; v1(99.649,72.854) 99.649,71.12 v1(100.03,70.739)
  Top Layer w0.254: U302.23@103.227,62.084 103.236,62.076 104.409,62.076 104.52,61.965 105.436,61.965 106.172,62.702 v1(106.172,62.738)
  Bottom Layer w0.1: pad.605@71.628,82.804 71.928,82.804 73.141,84.017 J1.7@75.352,84.017 75.552,84.017 80.927,78.642 80.956,78.613 89.405,78.567 ccw(c89.408,79.121) 89.413,78.567 94.278,78.613 94.361,78.613 94.39,78.584 98.747,74.227 98.747,73.756 v1(99.649,72.854) ; v1(99.011,65.913) 100.03,66.932 v1(100.03,70.739) ; v1(99.395,62.357) 102.616,62.357 103.632,63.373 105.918,63.373 106.172,63.119 v1(106.172,62.738)
PA8: J5.1 pad.618 U302.41 | length 92.4
  Top Layer w0.1: J5.1@75.552,46.183 J5.1@75.352,46.933 75.352,43.012 78.1,40.264 78.1,38.596 78.246,38.45 81.565,38.45 81.594,38.421 82.677,37.338 82.677,31.115 v1(82.677,30.526) v1(82.677,28.402)
  Top Layer w0.254: U302.41@109.077,55.734 109.077,50.806 109.398,50.486 v1(109.398,50.419)
  Bottom Layer w0.1: pad.618@71.628,45.72 71.928,45.72 73.141,46.933 J5.1@75.352,46.933 J5.1@75.12,46.701 ; v1(82.677,28.402) 83.104,28.829 113.665,28.829 115.443,30.607 115.443,48.006 113.03,50.419 v1(109.398,50.419)
PA9: J1.10 pad.602 U302.42 | length 141.8
  Top Layer w0.1: J1.10@75.352,91.637 75.152,91.637 73.106,89.592 73.106,42.718 75.847,39.977 75.847,38.679 76.667,37.859 77.299,37.227 77.299,30.944 76.581,30.226 v1(76.581,28.702)
  Top Layer w0.254: U302.42@109.577,55.734 109.577,51.373 109.88,51.07 v1(109.88,51.003)
  Bottom Layer w0.1: pad.602@71.628,90.424 71.928,90.424 73.141,91.637 J1.10@75.352,91.637 J1.10@75.552,91.637 ; v1(76.581,28.702) 77.343,27.94 78.232,27.94 79.148,28.856 80.999,28.856 82.069,27.786 83.031,27.786 83.693,28.448 113.919,28.448 115.824,30.353 115.824,48.412 113.233,51.003 v1(109.88,51.003)
PA10: J5.4 pad.615 U302.43 | length 102.5
  Top Layer w0.1: J5.4@75.352,54.553 75.152,54.553 73.787,53.188 73.787,43.561 77.597,39.751 77.597,38.282 77.9,37.979 80.004,37.979 80.137,37.846 v1(80.137,28.302)
  Top Layer w0.254: U302.43@110.077,55.734 110.077,51.99 110.439,51.629 v1(110.439,51.562)
  Bottom Layer w0.1: pad.615@71.628,53.34 71.928,53.34 73.141,54.553 J5.4@75.352,54.553 ; v1(80.137,28.302) 80.137,28.194 80.772,27.559 83.693,27.559 84.201,28.067 114.173,28.067 116.205,30.099 116.205,37.261 cw(c117.051,37.744) 116.205,38.228 116.205,48.641 116.176,48.67 113.284,51.562 v1(110.439,51.562)
PA15: J7.2 U302.50 | length 63.2
  Top Layer w0.254: U302.50@114.427,58.084 115.34,58.084 115.349,58.093 115.511,58.093 115.987,58.569 v1(115.987,59.53)
  Bottom Layer w0.1: J7.2@93.98,99.568 95.504,98.044 99.06,98.044 102.108,94.996 102.108,75.946 104.394,73.66 117.094,73.66 118.199,72.555 118.199,67.653 115.987,65.441 v1(115.987,59.53)
PB7: J7.5 U302.59 | length 72.3
  Top Layer w0.1: v1(94.764,74.444) 94.764,75.714 95.755,76.705 v1(97.158,76.705)
  Top Layer w0.254: v1(107.812,62.531) 107.879,62.531 107.948,62.6 113.479,62.6 113.486,62.593 114.405,62.593 U302.59@114.412,62.6
  Bottom Layer w0.1: J7.5@86.868,99.568 90.17,96.266 98.298,96.266 100.076,94.488 100.076,83.185 98.298,81.407 98.298,77.845 v1(97.158,76.705) ; v1(94.764,74.444) 95.228,73.98 95.228,71.269 96.608,69.889 96.608,66.168 97.536,65.24 97.536,62.484 100.512,59.508 100.789,59.23 100.789,58.723 101.219,58.293 101.72,58.293 103.752,60.325 104.684,60.325 ccw(c104.683,60.425) 104.753,60.353 105.131,60.72 105.134,60.723 105.136,60.725 106.736,62.54 106.795,62.599 107.744,62.599 v1(107.812,62.531)
PB10: J5.2 pad.617 U302.29 | length 63.7
  Top Layer w0.254: U302.29@103.235,59.077 105.707,59.077 105.978,58.805 v1(106.045,58.805)
  Bottom Layer w0.1: pad.617@71.628,48.26 71.928,48.26 73.141,49.473 J5.2@75.352,49.473 75.552,49.473 77.597,51.519 77.597,67.691 78.105,68.199 94.452,68.199 95.15,67.501 95.15,66.324 95.325,66.123 96.179,65.269 96.187,65.261 cw(c95.837,64.832) 96.266,65.182 96.397,65.036 96.397,60.829 100.33,56.896 101.981,56.896 103.89,58.805 v1(106.045,58.805)
PB11: J7.6 U302.30 | length 61.5
  Top Layer w0.1: v1(93.969,75.3) 93.98,75.311 93.98,75.864 95.481,77.366 v1(96.795,77.366)
  Top Layer w0.254: v1(100.203,58.864) 100.843,58.864 101.237,58.47 101.65,58.47 101.756,58.576 103.219,58.576 U302.30@103.227,58.584
  Bottom Layer w0.1: J7.6@84.328,99.568 88.138,95.758 98.044,95.758 99.314,94.488 99.314,83.566 97.536,81.788 97.536,78.107 v1(96.795,77.366) ; v1(93.969,75.3) 94.036,75.234 94.036,74.366 94.615,73.787 94.615,70.739 96.245,69.109 96.245,66.208 97.127,65.285 97.155,65.256 97.155,61.912 v1(100.203,58.864)
PB14: J5.3 pad.616 U302.35 | length 82.5
  Top Layer w0.1: J5.3@75.352,52.013 74.865,51.526 74.865,51.243 74.047,50.425 74.047,43.809 77.873,39.983 77.873,38.401 78.051,38.223 81.471,38.223 82.444,37.25 82.444,31.136 81.925,30.617 v1(81.925,30.584)
  Top Layer w0.254: v1(103.759,47.625) 103.759,50.8 106.077,53.118 U302.35@106.077,55.734
  Bottom Layer w0.1: pad.616@71.628,50.8 71.928,50.8 73.141,52.013 J5.3@75.352,52.013 ; v1(81.925,30.584) 81.925,30.494 82.448,29.972 104.394,29.972 105.394,30.972 105.394,37.608 104.394,38.608 104.394,46.99 v1(103.759,47.625)